# KiCad board PANEL5x4_COM_MOD.kicad_pcb (continued)
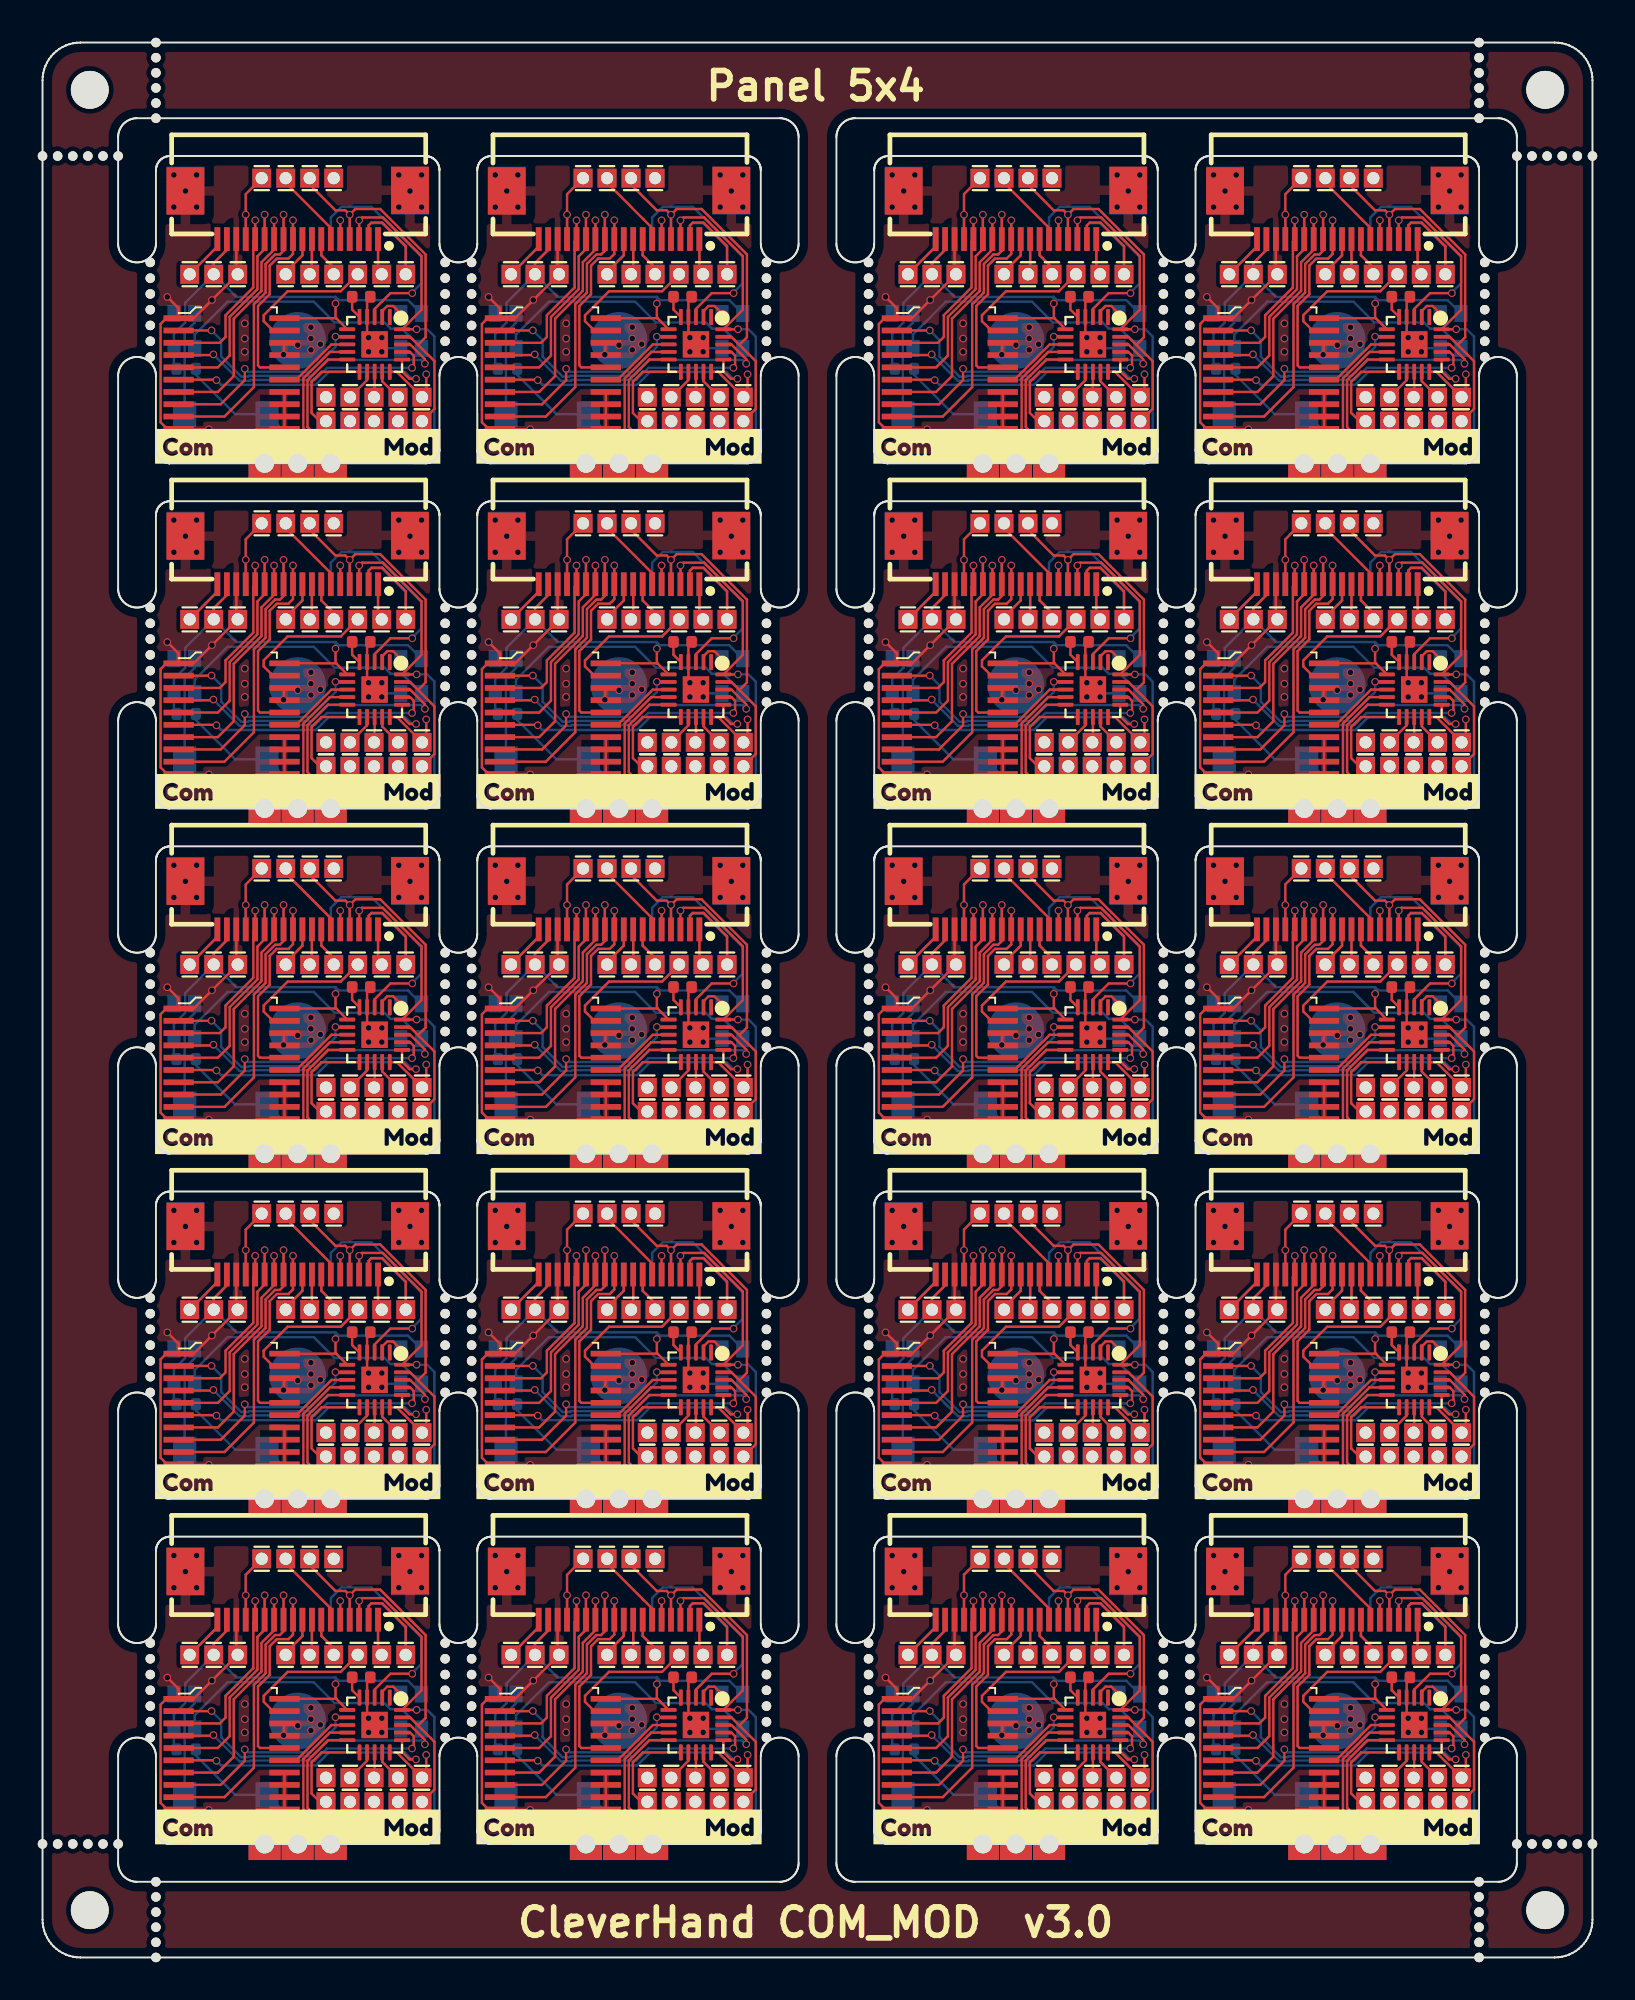
[diagram p0: board, top side]
## Placement (name value [footprint] x y rotation side) (continued)
KiKit_MB_8_3  -  [NPTH]  76.3 87.96 0 top
KiKit_MB_8_4  -  [NPTH]  76.3 87.13 0 top
KiKit_MB_8_5  -  [NPTH]  76.3 86.29 0 top
KiKit_MB_8_6  -  [NPTH]  76.3 85.46 0 top
KiKit_MB_8_7  -  [NPTH]  76.3 84.63 0 top
KiKit_MB_9_1  -  [NPTH]  5.7 66.38 0 top
KiKit_MB_9_2  -  [NPTH]  5.7 67.21 0 top
KiKit_MB_9_3  -  [NPTH]  5.7 68.04 0 top
KiKit_MB_9_4  -  [NPTH]  5.7 68.88 0 top
KiKit_MB_9_5  -  [NPTH]  5.7 69.71 0 top
KiKit_MB_9_6  -  [NPTH]  5.7 70.54 0 top
KiKit_MB_9_7  -  [NPTH]  5.7 71.38 0 top
KiKit_MB_10_1  -  [NPTH]  21.3 71.38 0 top
KiKit_MB_10_2  -  [NPTH]  21.3 70.54 0 top
KiKit_MB_10_3  -  [NPTH]  21.3 69.71 0 top
KiKit_MB_10_4  -  [NPTH]  21.3 68.88 0 top
KiKit_MB_10_5  -  [NPTH]  21.3 68.04 0 top
KiKit_MB_10_6  -  [NPTH]  21.3 67.21 0 top
KiKit_MB_10_7  -  [NPTH]  21.3 66.38 0 top
KiKit_MB_11_1  -  [NPTH]  22.7 66.38 0 top
KiKit_MB_11_2  -  [NPTH]  22.7 67.21 0 top
KiKit_MB_11_3  -  [NPTH]  22.7 68.04 0 top
KiKit_MB_11_4  -  [NPTH]  22.7 68.88 0 top
KiKit_MB_11_5  -  [NPTH]  22.7 69.71 0 top
KiKit_MB_11_6  -  [NPTH]  22.7 70.54 0 top
KiKit_MB_11_7  -  [NPTH]  22.7 71.38 0 top
KiKit_MB_12_1  -  [NPTH]  38.3 71.38 0 top
KiKit_MB_12_2  -  [NPTH]  38.3 70.54 0 top
KiKit_MB_12_3  -  [NPTH]  38.3 69.71 0 top
KiKit_MB_12_4  -  [NPTH]  38.3 68.88 0 top
KiKit_MB_12_5  -  [NPTH]  38.3 68.04 0 top
KiKit_MB_12_6  -  [NPTH]  38.3 67.21 0 top
KiKit_MB_12_7  -  [NPTH]  38.3 66.38 0 top
KiKit_MB_13_1  -  [NPTH]  43.7 66.38 0 top
KiKit_MB_13_2  -  [NPTH]  43.7 67.21 0 top
KiKit_MB_13_3  -  [NPTH]  43.7 68.04 0 top
KiKit_MB_13_4  -  [NPTH]  43.7 68.88 0 top
KiKit_MB_13_5  -  [NPTH]  43.7 69.71 0 top
KiKit_MB_13_6  -  [NPTH]  43.7 70.54 0 top
KiKit_MB_13_7  -  [NPTH]  43.7 71.38 0 top
KiKit_MB_14_1  -  [NPTH]  59.3 71.38 0 top
KiKit_MB_14_2  -  [NPTH]  59.3 70.54 0 top
KiKit_MB_14_3  -  [NPTH]  59.3 69.71 0 top
KiKit_MB_14_4  -  [NPTH]  59.3 68.88 0 top
KiKit_MB_14_5  -  [NPTH]  59.3 68.04 0 top
KiKit_MB_14_6  -  [NPTH]  59.3 67.21 0 top
KiKit_MB_14_7  -  [NPTH]  59.3 66.38 0 top
KiKit_MB_15_1  -  [NPTH]  60.7 66.38 0 top
KiKit_MB_15_2  -  [NPTH]  60.7 67.21 0 top
KiKit_MB_15_3  -  [NPTH]  60.7 68.04 0 top
KiKit_MB_15_4  -  [NPTH]  60.7 68.88 0 top
KiKit_MB_15_5  -  [NPTH]  60.7 69.71 0 top
KiKit_MB_15_6  -  [NPTH]  60.7 70.54 0 top
KiKit_MB_15_7  -  [NPTH]  60.7 71.38 0 top
KiKit_MB_16_1  -  [NPTH]  76.3 71.38 0 top
KiKit_MB_16_2  -  [NPTH]  76.3 70.54 0 top
KiKit_MB_16_3  -  [NPTH]  76.3 69.71 0 top
KiKit_MB_16_4  -  [NPTH]  76.3 68.88 0 top
KiKit_MB_16_5  -  [NPTH]  76.3 68.04 0 top
KiKit_MB_16_6  -  [NPTH]  76.3 67.21 0 top
KiKit_MB_16_7  -  [NPTH]  76.3 66.38 0 top
KiKit_MB_17_1  -  [NPTH]  5.7 48.13 0 top
KiKit_MB_17_2  -  [NPTH]  5.7 48.96 0 top
KiKit_MB_17_3  -  [NPTH]  5.7 49.79 0 top
KiKit_MB_17_4  -  [NPTH]  5.7 50.63 0 top
KiKit_MB_17_5  -  [NPTH]  5.7 51.46 0 top
KiKit_MB_17_6  -  [NPTH]  5.7 52.29 0 top
KiKit_MB_17_7  -  [NPTH]  5.7 53.13 0 top
KiKit_MB_18_1  -  [NPTH]  21.3 53.13 0 top
KiKit_MB_18_2  -  [NPTH]  21.3 52.29 0 top
KiKit_MB_18_3  -  [NPTH]  21.3 51.46 0 top
KiKit_MB_18_4  -  [NPTH]  21.3 50.63 0 top
KiKit_MB_18_5  -  [NPTH]  21.3 49.79 0 top
KiKit_MB_18_6  -  [NPTH]  21.3 48.96 0 top
KiKit_MB_18_7  -  [NPTH]  21.3 48.13 0 top
KiKit_MB_19_1  -  [NPTH]  22.7 48.13 0 top
KiKit_MB_19_2  -  [NPTH]  22.7 48.96 0 top
KiKit_MB_19_3  -  [NPTH]  22.7 49.79 0 top
KiKit_MB_19_4  -  [NPTH]  22.7 50.63 0 top
KiKit_MB_19_5  -  [NPTH]  22.7 51.46 0 top
KiKit_MB_19_6  -  [NPTH]  22.7 52.29 0 top
KiKit_MB_19_7  -  [NPTH]  22.7 53.13 0 top
KiKit_MB_20_1  -  [NPTH]  38.3 53.13 0 top
KiKit_MB_20_2  -  [NPTH]  38.3 52.29 0 top
KiKit_MB_20_3  -  [NPTH]  38.3 51.46 0 top
KiKit_MB_20_4  -  [NPTH]  38.3 50.63 0 top
KiKit_MB_20_5  -  [NPTH]  38.3 49.79 0 top
KiKit_MB_20_6  -  [NPTH]  38.3 48.96 0 top
KiKit_MB_20_7  -  [NPTH]  38.3 48.13 0 top
KiKit_MB_21_1  -  [NPTH]  43.7 48.13 0 top
KiKit_MB_21_2  -  [NPTH]  43.7 48.96 0 top
KiKit_MB_21_3  -  [NPTH]  43.7 49.79 0 top
KiKit_MB_21_4  -  [NPTH]  43.7 50.63 0 top
KiKit_MB_21_5  -  [NPTH]  43.7 51.46 0 top
KiKit_MB_21_6  -  [NPTH]  43.7 52.29 0 top
KiKit_MB_21_7  -  [NPTH]  43.7 53.13 0 top
KiKit_MB_22_1  -  [NPTH]  59.3 53.13 0 top
KiKit_MB_22_2  -  [NPTH]  59.3 52.29 0 top
KiKit_MB_22_3  -  [NPTH]  59.3 51.46 0 top
KiKit_MB_22_4  -  [NPTH]  59.3 50.63 0 top
KiKit_MB_22_5  -  [NPTH]  59.3 49.79 0 top
KiKit_MB_22_6  -  [NPTH]  59.3 48.96 0 top
KiKit_MB_22_7  -  [NPTH]  59.3 48.13 0 top
KiKit_MB_23_1  -  [NPTH]  60.7 48.13 0 top
KiKit_MB_23_2  -  [NPTH]  60.7 48.96 0 top
KiKit_MB_23_3  -  [NPTH]  60.7 49.79 0 top
KiKit_MB_23_4  -  [NPTH]  60.7 50.63 0 top
KiKit_MB_23_5  -  [NPTH]  60.7 51.46 0 top
KiKit_MB_23_6  -  [NPTH]  60.7 52.29 0 top
KiKit_MB_23_7  -  [NPTH]  60.7 53.13 0 top
KiKit_MB_24_1  -  [NPTH]  76.3 53.13 0 top
KiKit_MB_24_2  -  [NPTH]  76.3 52.29 0 top
KiKit_MB_24_3  -  [NPTH]  76.3 51.46 0 top
KiKit_MB_24_4  -  [NPTH]  76.3 50.63 0 top
KiKit_MB_24_5  -  [NPTH]  76.3 49.79 0 top
KiKit_MB_24_6  -  [NPTH]  76.3 48.96 0 top
KiKit_MB_24_7  -  [NPTH]  76.3 48.13 0 top
KiKit_MB_25_1  -  [NPTH]  5.7 29.88 0 top
KiKit_MB_25_2  -  [NPTH]  5.7 30.71 0 top
KiKit_MB_25_3  -  [NPTH]  5.7 31.54 0 top
KiKit_MB_25_4  -  [NPTH]  5.7 32.38 0 top
KiKit_MB_25_5  -  [NPTH]  5.7 33.21 0 top
KiKit_MB_25_6  -  [NPTH]  5.7 34.04 0 top
KiKit_MB_25_7  -  [NPTH]  5.7 34.88 0 top
KiKit_MB_26_1  -  [NPTH]  21.3 34.88 0 top
KiKit_MB_26_2  -  [NPTH]  21.3 34.04 0 top
KiKit_MB_26_3  -  [NPTH]  21.3 33.21 0 top
KiKit_MB_26_4  -  [NPTH]  21.3 32.38 0 top
KiKit_MB_26_5  -  [NPTH]  21.3 31.54 0 top
KiKit_MB_26_6  -  [NPTH]  21.3 30.71 0 top
KiKit_MB_26_7  -  [NPTH]  21.3 29.88 0 top
KiKit_MB_27_1  -  [NPTH]  22.7 29.88 0 top
KiKit_MB_27_2  -  [NPTH]  22.7 30.71 0 top
KiKit_MB_27_3  -  [NPTH]  22.7 31.54 0 top
KiKit_MB_27_4  -  [NPTH]  22.7 32.38 0 top
KiKit_MB_27_5  -  [NPTH]  22.7 33.21 0 top
KiKit_MB_27_6  -  [NPTH]  22.7 34.04 0 top
KiKit_MB_27_7  -  [NPTH]  22.7 34.88 0 top
KiKit_MB_28_1  -  [NPTH]  38.3 34.88 0 top
KiKit_MB_28_2  -  [NPTH]  38.3 34.04 0 top
KiKit_MB_28_3  -  [NPTH]  38.3 33.21 0 top
KiKit_MB_28_4  -  [NPTH]  38.3 32.38 0 top
KiKit_MB_28_5  -  [NPTH]  38.3 31.54 0 top
KiKit_MB_28_6  -  [NPTH]  38.3 30.71 0 top
KiKit_MB_28_7  -  [NPTH]  38.3 29.88 0 top
KiKit_MB_29_1  -  [NPTH]  43.7 29.88 0 top
KiKit_MB_29_2  -  [NPTH]  43.7 30.71 0 top
KiKit_MB_29_3  -  [NPTH]  43.7 31.54 0 top
KiKit_MB_29_4  -  [NPTH]  43.7 32.38 0 top
KiKit_MB_29_5  -  [NPTH]  43.7 33.21 0 top
KiKit_MB_29_6  -  [NPTH]  43.7 34.04 0 top
KiKit_MB_29_7  -  [NPTH]  43.7 34.88 0 top
KiKit_MB_30_1  -  [NPTH]  59.3 34.88 0 top
KiKit_MB_30_2  -  [NPTH]  59.3 34.04 0 top
KiKit_MB_30_3  -  [NPTH]  59.3 33.21 0 top
KiKit_MB_30_4  -  [NPTH]  59.3 32.38 0 top
KiKit_MB_30_5  -  [NPTH]  59.3 31.54 0 top
KiKit_MB_30_6  -  [NPTH]  59.3 30.71 0 top
KiKit_MB_30_7  -  [NPTH]  59.3 29.88 0 top
KiKit_MB_31_1  -  [NPTH]  60.7 29.88 0 top
KiKit_MB_31_2  -  [NPTH]  60.7 30.71 0 top
KiKit_MB_31_3  -  [NPTH]  60.7 31.54 0 top
KiKit_MB_31_4  -  [NPTH]  60.7 32.38 0 top
KiKit_MB_31_5  -  [NPTH]  60.7 33.21 0 top
KiKit_MB_31_6  -  [NPTH]  60.7 34.04 0 top
KiKit_MB_31_7  -  [NPTH]  60.7 34.88 0 top
KiKit_MB_32_1  -  [NPTH]  76.3 34.88 0 top
KiKit_MB_32_2  -  [NPTH]  76.3 34.04 0 top
KiKit_MB_32_3  -  [NPTH]  76.3 33.21 0 top
KiKit_MB_32_4  -  [NPTH]  76.3 32.38 0 top
KiKit_MB_32_5  -  [NPTH]  76.3 31.54 0 top
KiKit_MB_32_6  -  [NPTH]  76.3 30.71 0 top
KiKit_MB_32_7  -  [NPTH]  76.3 29.88 0 top
KiKit_MB_33_1  -  [NPTH]  5.7 11.63 0 top
KiKit_MB_33_2  -  [NPTH]  5.7 12.46 0 top
KiKit_MB_33_3  -  [NPTH]  5.7 13.29 0 top
KiKit_MB_33_4  -  [NPTH]  5.7 14.13 0 top
KiKit_MB_33_5  -  [NPTH]  5.7 14.96 0 top
KiKit_MB_33_6  -  [NPTH]  5.7 15.79 0 top
KiKit_MB_33_7  -  [NPTH]  5.7 16.63 0 top
KiKit_MB_34_1  -  [NPTH]  21.3 16.63 0 top
KiKit_MB_34_2  -  [NPTH]  21.3 15.79 0 top
KiKit_MB_34_3  -  [NPTH]  21.3 14.96 0 top
KiKit_MB_34_4  -  [NPTH]  21.3 14.13 0 top
KiKit_MB_34_5  -  [NPTH]  21.3 13.29 0 top
KiKit_MB_34_6  -  [NPTH]  21.3 12.46 0 top
KiKit_MB_34_7  -  [NPTH]  21.3 11.63 0 top
KiKit_MB_35_1  -  [NPTH]  22.7 11.63 0 top
KiKit_MB_35_2  -  [NPTH]  22.7 12.46 0 top
KiKit_MB_35_3  -  [NPTH]  22.7 13.29 0 top
KiKit_MB_35_4  -  [NPTH]  22.7 14.13 0 top
KiKit_MB_35_5  -  [NPTH]  22.7 14.96 0 top
KiKit_MB_35_6  -  [NPTH]  22.7 15.79 0 top
KiKit_MB_35_7  -  [NPTH]  22.7 16.63 0 top
KiKit_MB_36_1  -  [NPTH]  38.3 16.63 0 top
KiKit_MB_36_2  -  [NPTH]  38.3 15.79 0 top
KiKit_MB_36_3  -  [NPTH]  38.3 14.96 0 top
KiKit_MB_36_4  -  [NPTH]  38.3 14.13 0 top
KiKit_MB_36_5  -  [NPTH]  38.3 13.29 0 top
KiKit_MB_36_6  -  [NPTH]  38.3 12.46 0 top
KiKit_MB_36_7  -  [NPTH]  38.3 11.63 0 top
KiKit_MB_37_1  -  [NPTH]  43.7 11.63 0 top
KiKit_MB_37_2  -  [NPTH]  43.7 12.46 0 top
KiKit_MB_37_3  -  [NPTH]  43.7 13.29 0 top
KiKit_MB_37_4  -  [NPTH]  43.7 14.13 0 top
KiKit_MB_37_5  -  [NPTH]  43.7 14.96 0 top
KiKit_MB_37_6  -  [NPTH]  43.7 15.79 0 top
KiKit_MB_37_7  -  [NPTH]  43.7 16.63 0 top
KiKit_MB_38_1  -  [NPTH]  59.3 16.63 0 top
KiKit_MB_38_2  -  [NPTH]  59.3 15.79 0 top
KiKit_MB_38_3  -  [NPTH]  59.3 14.96 0 top
KiKit_MB_38_4  -  [NPTH]  59.3 14.13 0 top
KiKit_MB_38_5  -  [NPTH]  59.3 13.29 0 top
KiKit_MB_38_6  -  [NPTH]  59.3 12.46 0 top
KiKit_MB_38_7  -  [NPTH]  59.3 11.63 0 top
KiKit_MB_39_1  -  [NPTH]  60.7 11.63 0 top
KiKit_MB_39_2  -  [NPTH]  60.7 12.46 0 top
KiKit_MB_39_3  -  [NPTH]  60.7 13.29 0 top
KiKit_MB_39_4  -  [NPTH]  60.7 14.13 0 top
KiKit_MB_39_5  -  [NPTH]  60.7 14.96 0 top
KiKit_MB_39_6  -  [NPTH]  60.7 15.79 0 top
KiKit_MB_39_7  -  [NPTH]  60.7 16.63 0 top
KiKit_MB_40_1  -  [NPTH]  76.3 16.63 0 top
KiKit_MB_40_2  -  [NPTH]  76.3 15.79 0 top
KiKit_MB_40_3  -  [NPTH]  76.3 14.96 0 top
KiKit_MB_40_4  -  [NPTH]  76.3 14.13 0 top
KiKit_MB_40_5  -  [NPTH]  76.3 13.29 0 top
KiKit_MB_40_6  -  [NPTH]  76.3 12.46 0 top
KiKit_MB_40_7  -  [NPTH]  76.3 11.63 0 top
KiKit_MB_41_1  -  [NPTH]  6 101.25 0 top
KiKit_MB_41_2  -  [NPTH]  6 100.45 0 top
KiKit_MB_41_3  -  [NPTH]  6 99.65 0 top
KiKit_MB_41_4  -  [NPTH]  6 98.85 0 top
KiKit_MB_41_5  -  [NPTH]  6 98.05 0 top
KiKit_MB_41_6  -  [NPTH]  6 97.25 0 top
KiKit_MB_42_1  -  [NPTH]  76 101.25 0 top
KiKit_MB_42_2  -  [NPTH]  76 100.45 0 top
KiKit_MB_42_3  -  [NPTH]  76 99.65 0 top
KiKit_MB_42_4  -  [NPTH]  76 98.85 0 top
KiKit_MB_42_5  -  [NPTH]  76 98.05 0 top
KiKit_MB_42_6  -  [NPTH]  76 97.25 0 top
KiKit_MB_43_1  -  [NPTH]  6 4 0 top
KiKit_MB_43_2  -  [NPTH]  6 3.2 0 top
KiKit_MB_43_3  -  [NPTH]  6 2.4 0 top
KiKit_MB_43_4  -  [NPTH]  6 1.6 0 top
KiKit_MB_43_5  -  [NPTH]  6 0.8 0 top
KiKit_MB_43_6  -  [NPTH]  6 0 0 top
KiKit_MB_44_1  -  [NPTH]  76 4 0 top
KiKit_MB_44_2  -  [NPTH]  76 3.2 0 top
KiKit_MB_44_3  -  [NPTH]  76 2.4 0 top
KiKit_MB_44_4  -  [NPTH]  76 1.6 0 top
KiKit_MB_44_5  -  [NPTH]  76 0.8 0 top
KiKit_MB_44_6  -  [NPTH]  76 0 0 top
KiKit_MB_45_1  -  [NPTH]  0 95.25 0 top
KiKit_MB_45_2  -  [NPTH]  0.8 95.25 0 top
KiKit_MB_45_3  -  [NPTH]  1.6 95.25 0 top
KiKit_MB_45_4  -  [NPTH]  2.4 95.25 0 top
KiKit_MB_45_5  -  [NPTH]  3.2 95.25 0 top
KiKit_MB_45_6  -  [NPTH]  4 95.25 0 top
KiKit_MB_46_1  -  [NPTH]  0 6 0 top
KiKit_MB_46_2  -  [NPTH]  0.8 6 0 top
KiKit_MB_46_3  -  [NPTH]  1.6 6 0 top
KiKit_MB_46_4  -  [NPTH]  2.4 6 0 top
KiKit_MB_46_5  -  [NPTH]  3.2 6 0 top
KiKit_MB_46_6  -  [NPTH]  4 6 0 top
KiKit_MB_47_1  -  [NPTH]  78 95.25 0 top
KiKit_MB_47_2  -  [NPTH]  78.8 95.25 0 top
KiKit_MB_47_3  -  [NPTH]  79.6 95.25 0 top
KiKit_MB_47_4  -  [NPTH]  80.4 95.25 0 top
KiKit_MB_47_5  -  [NPTH]  81.2 95.25 0 top
KiKit_MB_47_6  -  [NPTH]  82 95.25 0 top
KiKit_MB_48_1  -  [NPTH]  78 6 0 top
KiKit_MB_48_2  -  [NPTH]  78.8 6 0 top
KiKit_MB_48_3  -  [NPTH]  79.6 6 0 top
KiKit_MB_48_4  -  [NPTH]  80.4 6 0 top
KiKit_MB_48_5  -  [NPTH]  81.2 6 0 top
KiKit_MB_48_6  -  [NPTH]  82 6 0 top
KiKit_TO_1  -  [NPTH#2]  2.5 98.75 0 top
KiKit_TO_2  -  [NPTH#2]  79.5 98.75 0 top
KiKit_TO_3  -  [NPTH#2]  2.5 2.5 0 top
KiKit_TO_4  -  [NPTH#2]  79.5 2.5 0 top
LED1  WS2812C-2020-V1  [LED-SMD_4P-L2.0-W2.0-TL_WS2812B-2020]  57.5 31.25 90 bottom
LED1#2  WS2812C-2020-V1  [LED-SMD_4P-L2.0-W2.0-TL_WS2812B-2020]  36.5 67.75 90 bottom
LED1#3  WS2812C-2020-V1  [LED-SMD_4P-L2.0-W2.0-TL_WS2812B-2020]  19.5 13 90 bottom
LED1#4  WS2812C-2020-V1  [LED-SMD_4P-L2.0-W2.0-TL_WS2812B-2020]  19.5 49.5 90 bottom
LED1#5  WS2812C-2020-V1  [LED-SMD_4P-L2.0-W2.0-TL_WS2812B-2020]  36.5 31.25 90 bottom
LED1#6  WS2812C-2020-V1  [LED-SMD_4P-L2.0-W2.0-TL_WS2812B-2020]  19.5 67.75 90 bottom
LED1#7  WS2812C-2020-V1  [LED-SMD_4P-L2.0-W2.0-TL_WS2812B-2020]  36.5 49.5 90 bottom
LED1#8  WS2812C-2020-V1  [LED-SMD_4P-L2.0-W2.0-TL_WS2812B-2020]  74.5 67.75 90 bottom
LED1#9  WS2812C-2020-V1  [LED-SMD_4P-L2.0-W2.0-TL_WS2812B-2020]  36.5 86 90 bottom
LED1#10  WS2812C-2020-V1  [LED-SMD_4P-L2.0-W2.0-TL_WS2812B-2020]  36.5 13 90 bottom
LED1#11  WS2812C-2020-V1  [LED-SMD_4P-L2.0-W2.0-TL_WS2812B-2020]  57.5 13 90 bottom
LED1#12  WS2812C-2020-V1  [LED-SMD_4P-L2.0-W2.0-TL_WS2812B-2020]  57.5 86 90 bottom
LED1#13  WS2812C-2020-V1  [LED-SMD_4P-L2.0-W2.0-TL_WS2812B-2020]  57.5 67.75 90 bottom
LED1#14  WS2812C-2020-V1  [LED-SMD_4P-L2.0-W2.0-TL_WS2812B-2020]  57.5 49.5 90 bottom
LED1#15  WS2812C-2020-V1  [LED-SMD_4P-L2.0-W2.0-TL_WS2812B-2020]  19.5 31.25 90 bottom
LED1#16  WS2812C-2020-V1  [LED-SMD_4P-L2.0-W2.0-TL_WS2812B-2020]  19.5 86 90 bottom
LED1#17  WS2812C-2020-V1  [LED-SMD_4P-L2.0-W2.0-TL_WS2812B-2020]  74.5 86 90 bottom
LED1#18  WS2812C-2020-V1  [LED-SMD_4P-L2.0-W2.0-TL_WS2812B-2020]  74.5 13 90 bottom
LED1#19  WS2812C-2020-V1  [LED-SMD_4P-L2.0-W2.0-TL_WS2812B-2020]  74.5 49.5 90 bottom
LED1#20  WS2812C-2020-V1  [LED-SMD_4P-L2.0-W2.0-TL_WS2812B-2020]  74.5 31.25 90 bottom
LED2  WS2812C  [LED-SMD_4P-L2.0-W2.0-TL_WS2812B-2020]  62.5 86 270 bottom
LED2#2  WS2812C  [LED-SMD_4P-L2.0-W2.0-TL_WS2812B-2020]  45.5 67.75 270 bottom
LED2#3  WS2812C  [LED-SMD_4P-L2.0-W2.0-TL_WS2812B-2020]  45.5 86 270 bottom
LED2#4  WS2812C  [LED-SMD_4P-L2.0-W2.0-TL_WS2812B-2020]  24.5 86 270 bottom
LED2#5  WS2812C  [LED-SMD_4P-L2.0-W2.0-TL_WS2812B-2020]  45.5 49.5 270 bottom
LED2#6  WS2812C  [LED-SMD_4P-L2.0-W2.0-TL_WS2812B-2020]  7.5 67.75 270 bottom
LED2#7  WS2812C  [LED-SMD_4P-L2.0-W2.0-TL_WS2812B-2020]  24.5 31.25 270 bottom
LED2#8  WS2812C  [LED-SMD_4P-L2.0-W2.0-TL_WS2812B-2020]  45.5 13 270 bottom
LED2#9  WS2812C  [LED-SMD_4P-L2.0-W2.0-TL_WS2812B-2020]  62.5 67.75 270 bottom
LED2#10  WS2812C  [LED-SMD_4P-L2.0-W2.0-TL_WS2812B-2020]  7.5 49.5 270 bottom
LED2#11  WS2812C  [LED-SMD_4P-L2.0-W2.0-TL_WS2812B-2020]  24.5 13 270 bottom
LED2#12  WS2812C  [LED-SMD_4P-L2.0-W2.0-TL_WS2812B-2020]  7.5 31.25 270 bottom
LED2#13  WS2812C  [LED-SMD_4P-L2.0-W2.0-TL_WS2812B-2020]  7.5 86 270 bottom
LED2#14  WS2812C  [LED-SMD_4P-L2.0-W2.0-TL_WS2812B-2020]  62.5 49.5 270 bottom
LED2#15  WS2812C  [LED-SMD_4P-L2.0-W2.0-TL_WS2812B-2020]  7.5 13 270 bottom
LED2#16  WS2812C  [LED-SMD_4P-L2.0-W2.0-TL_WS2812B-2020]  24.5 67.75 270 bottom
LED2#17  WS2812C  [LED-SMD_4P-L2.0-W2.0-TL_WS2812B-2020]  62.5 31.25 270 bottom
LED2#18  WS2812C  [LED-SMD_4P-L2.0-W2.0-TL_WS2812B-2020]  45.5 31.25 270 bottom
LED2#19  WS2812C  [LED-SMD_4P-L2.0-W2.0-TL_WS2812B-2020]  62.5 13 270 bottom
LED2#20  WS2812C  [LED-SMD_4P-L2.0-W2.0-TL_WS2812B-2020]  24.5 49.5 270 bottom
R1  10K  [R_0402_1005Metric]  45.6 29.25 0 bottom
R1#2  10K  [R_0402_1005Metric]  24.6 84 0 bottom
R1#3  10K  [R_0402_1005Metric]  24.6 65.75 0 bottom
R1#4  10K  [R_0402_1005Metric]  62.6 47.5 0 bottom
R1#5  10K  [R_0402_1005Metric]  7.6 11 0 bottom
R1#6  10K  [R_0402_1005Metric]  7.6 47.5 0 bottom
R1#7  10K  [R_0402_1005Metric]  62.6 29.25 0 bottom
R1#8  10K  [R_0402_1005Metric]  45.6 47.5 0 bottom
R1#9  10K  [R_0402_1005Metric]  45.6 65.75 0 bottom
R1#10  10K  [R_0402_1005Metric]  7.6 84 0 bottom
R1#11  10K  [R_0402_1005Metric]  62.6 84 0 bottom
R1#12  10K  [R_0402_1005Metric]  24.6 47.5 0 bottom
R1#13  10K  [R_0402_1005Metric]  62.6 65.75 0 bottom
R1#14  10K  [R_0402_1005Metric]  45.6 11 0 bottom
R1#15  10K  [R_0402_1005Metric]  7.6 65.75 0 bottom
R1#16  10K  [R_0402_1005Metric]  45.6 84 0 bottom
R1#17  10K  [R_0402_1005Metric]  62.6 11 0 bottom
R1#18  10K  [R_0402_1005Metric]  24.6 11 0 bottom
R1#19  10K  [R_0402_1005Metric]  7.6 29.25 0 bottom
R1#20  10K  [R_0402_1005Metric]  24.6 29.25 0 bottom
SW1  TS-1088R-02026  [SW-SMD_L3.9-W3.0-P4.45]  47.7 63.35 180 bottom
SW1#2  TS-1088R-02026  [SW-SMD_L3.9-W3.0-P4.45]  9.7 81.6 180 bottom
SW1#3  TS-1088R-02026  [SW-SMD_L3.9-W3.0-P4.45]  9.7 26.85 180 bottom
SW1#4  TS-1088R-02026  [SW-SMD_L3.9-W3.0-P4.45]  9.7 8.6 180 bottom
SW1#5  TS-1088R-02026  [SW-SMD_L3.9-W3.0-P4.45]  47.7 8.6 180 bottom
SW1#6  TS-1088R-02026  [SW-SMD_L3.9-W3.0-P4.45]  64.7 8.6 180 bottom
SW1#7  TS-1088R-02026  [SW-SMD_L3.9-W3.0-P4.45]  64.7 81.6 180 bottom
SW1#8  TS-1088R-02026  [SW-SMD_L3.9-W3.0-P4.45]  26.7 81.6 180 bottom
SW1#9  TS-1088R-02026  [SW-SMD_L3.9-W3.0-P4.45]  26.7 8.6 180 bottom
SW1#10  TS-1088R-02026  [SW-SMD_L3.9-W3.0-P4.45]  47.7 81.6 180 bottom
SW1#11  TS-1088R-02026  [SW-SMD_L3.9-W3.0-P4.45]  26.7 45.1 180 bottom
SW1#12  TS-1088R-02026  [SW-SMD_L3.9-W3.0-P4.45]  9.7 45.1 180 bottom
SW1#13  TS-1088R-02026  [SW-SMD_L3.9-W3.0-P4.45]  9.7 63.35 180 bottom
SW1#14  TS-1088R-02026  [SW-SMD_L3.9-W3.0-P4.45]  64.7 45.1 180 bottom
SW1#15  TS-1088R-02026  [SW-SMD_L3.9-W3.0-P4.45]  64.7 63.35 180 bottom
SW1#16  TS-1088R-02026  [SW-SMD_L3.9-W3.0-P4.45]  47.7 26.85 180 bottom
SW1#17  TS-1088R-02026  [SW-SMD_L3.9-W3.0-P4.45]  26.7 26.85 180 bottom
SW1#18  TS-1088R-02026  [SW-SMD_L3.9-W3.0-P4.45]  64.7 26.85 180 bottom
SW1#19  TS-1088R-02026  [SW-SMD_L3.9-W3.0-P4.45]  47.7 45.1 180 bottom
SW1#20  TS-1088R-02026  [SW-SMD_L3.9-W3.0-P4.45]  26.7 63.35 180 bottom
U1  HC32L110C6UA  [QFN-20-1EP_3x3mm_P0.4mm_EP1.4x1.4mm]  17.57 12.29 270 top
U1#2  HC32L110C6UA  [QFN-20-1EP_3x3mm_P0.4mm_EP1.4x1.4mm]  34.57 12.29 270 top
U1#3  HC32L110C6UA  [QFN-20-1EP_3x3mm_P0.4mm_EP1.4x1.4mm]  17.57 85.29 270 top
U1#4  HC32L110C6UA  [QFN-20-1EP_3x3mm_P0.4mm_EP1.4x1.4mm]  34.57 85.29 270 top
U1#5  HC32L110C6UA  [QFN-20-1EP_3x3mm_P0.4mm_EP1.4x1.4mm]  17.57 67.04 270 top
U1#6  HC32L110C6UA  [QFN-20-1EP_3x3mm_P0.4mm_EP1.4x1.4mm]  17.57 30.54 270 top
U1#7  HC32L110C6UA  [QFN-20-1EP_3x3mm_P0.4mm_EP1.4x1.4mm]  34.57 30.54 270 top
U1#8  HC32L110C6UA  [QFN-20-1EP_3x3mm_P0.4mm_EP1.4x1.4mm]  55.57 48.79 270 top
U1#9  HC32L110C6UA  [QFN-20-1EP_3x3mm_P0.4mm_EP1.4x1.4mm]  55.57 85.29 270 top
U1#10  HC32L110C6UA  [QFN-20-1EP_3x3mm_P0.4mm_EP1.4x1.4mm]  55.57 30.54 270 top
U1#11  HC32L110C6UA  [QFN-20-1EP_3x3mm_P0.4mm_EP1.4x1.4mm]  34.57 67.04 270 top
U1#12  HC32L110C6UA  [QFN-20-1EP_3x3mm_P0.4mm_EP1.4x1.4mm]  72.57 85.29 270 top
U1#13  HC32L110C6UA  [QFN-20-1EP_3x3mm_P0.4mm_EP1.4x1.4mm]  72.57 67.04 270 top
U1#14  HC32L110C6UA  [QFN-20-1EP_3x3mm_P0.4mm_EP1.4x1.4mm]  17.57 48.79 270 top
U1#15  HC32L110C6UA  [QFN-20-1EP_3x3mm_P0.4mm_EP1.4x1.4mm]  55.57 12.29 270 top
U1#16  HC32L110C6UA  [QFN-20-1EP_3x3mm_P0.4mm_EP1.4x1.4mm]  72.57 30.54 270 top
U1#17  HC32L110C6UA  [QFN-20-1EP_3x3mm_P0.4mm_EP1.4x1.4mm]  34.57 48.79 270 top
U1#18  HC32L110C6UA  [QFN-20-1EP_3x3mm_P0.4mm_EP1.4x1.4mm]  72.57 48.79 270 top
U1#19  HC32L110C6UA  [QFN-20-1EP_3x3mm_P0.4mm_EP1.4x1.4mm]  55.57 67.04 270 top
U1#20  HC32L110C6UA  [QFN-20-1EP_3x3mm_P0.4mm_EP1.4x1.4mm]  72.57 12.29 270 top
U2  74HC688  [TSSOP-20_W4.4mm]  65 47.25 270 top
U2#2  74HC688  [TSSOP-20_W4.4mm]  27 65.5 270 top
U2#3  74HC688  [TSSOP-20_W4.4mm]  65 83.75 270 top
U2#4  74HC688  [TSSOP-20_W4.4mm]  10 29 270 top
U2#5  74HC688  [TSSOP-20_W4.4mm]  48 65.5 270 top
U2#6  74HC688  [TSSOP-20_W4.4mm]  27 47.25 270 top
U2#7  74HC688  [TSSOP-20_W4.4mm]  10 65.5 270 top
U2#8  74HC688  [TSSOP-20_W4.4mm]  48 10.75 270 top
U2#9  74HC688  [TSSOP-20_W4.4mm]  27 83.75 270 top
U2#10  74HC688  [TSSOP-20_W4.4mm]  65 65.5 270 top
U2#11  74HC688  [TSSOP-20_W4.4mm]  48 83.75 270 top
U2#12  74HC688  [TSSOP-20_W4.4mm]  48 47.25 270 top
U2#13  74HC688  [TSSOP-20_W4.4mm]  10 47.25 270 top
U2#14  74HC688  [TSSOP-20_W4.4mm]  65 10.75 270 top
U2#15  74HC688  [TSSOP-20_W4.4mm]  27 10.75 270 top
U2#16  74HC688  [TSSOP-20_W4.4mm]  48 29 270 top
U2#17  74HC688  [TSSOP-20_W4.4mm]  10 83.75 270 top
U2#18  74HC688  [TSSOP-20_W4.4mm]  27 29 270 top
U2#19  74HC688  [TSSOP-20_W4.4mm]  65 29 270 top
U2#20  74HC688  [TSSOP-20_W4.4mm]  10 10.75 270 top

## Library data of the parts
C1 C1#2-C1#20 = -: LCSC: C23733
FPC1 FPC1#2-FPC1#20 FPC2 FPC2#2-FPC2#20 = -: LCSC Part: C2856802
J24 J24#2-J24#20 J25 J25#2-J25#20 J26 J26#2-J26#20 = -: Description: Generic connector, single row, 01x01, script generated
LED1 LED1#2-LED1#20 LED2 LED2#2-LED2#20 = -: LCSC Part: C2976072
R1 R1#2-R1#20 = -: LCSC: C25744
SW1 SW1#2-SW1#20 = -: Datasheet: https://lcsc.com/product-detail/New-Arrivals_XUNPU-TS-1088R-02026_C455280.html; LCSC Part: C455280
U1 U1#2-U1#20 = -: Datasheet: https://datasheet.lcsc.com/lcsc/2206131716_XHSC-HC32L110B6YA-CSP16TR_C840729.pdf; LCSC: C493490
U2 U2#2-U2#20 = -: Datasheet: https://www.ti.com/lit/ds/symlink/cd54hc688.pdf; LCSC: C132045; Field5: REF**

## Footprints (pads in the part's own frame, mm; a bottom-side part is the same pattern mirrored in y, then rotated)
C_0402_1005Metric
  rrect 0.56x0.62 smd: 1(-0.48,0) 2(0.48,0)
FPC-SMD_18P-P0.50_FPC-05F-18PH20
  rect 0.3x1.25 smd: 1(-4.25,1.29) 2(-3.75,1.29) 3(-3.25,1.29) 4(-2.75,1.29) 5(-2.25,1.29) 6(-1.75,1.29) 7(-1.25,1.29) 8(-0.75,1.29) 9(-0.25,1.29) 10(0.25,1.29) 11(0.75,1.29) 12(1.25,1.29) 13(1.75,1.29) 14(2.25,1.29) 15(2.75,1.29) 16(3.25,1.29) 17(3.75,1.29) 18(4.25,1.29)
  rect 2x2.5 smd: 19(-5.94,-1.29) 20(5.94,-1.25)
insert_1.2mm
  round 3 smd: 1(0,0)
LED-SMD_4P-L2.0-W2.0-TL_WS2812B-2020
  rect 0.9x0.7 smd: 1(-0.92,0.55) 2(-0.92,-0.55) 3(0.92,-0.55) 4(0.92,0.55)
NPTH
  round 0.5 hole 0.5 unplated: (0,0)
NPTH#2
  round 2 hole 2 unplated: (0,0)
PinHeader_1x01_P1.27mm_Vertical
  rect 1x1 hole 0.65: 1(0,0)
PinSocket_1x01_P2.54mm_Vertical
  rect 1.7x1.7 hole 1: 1(0,0)
QFN-20-1EP_3x3mm_P0.4mm_EP1.4x1.4mm
  rrect 0.5x0.5 smd: (-0.35,0.35) (-0.35,-0.35) (0.35,0.35) (0.35,-0.35)
  rrect 0.85x0.2 smd: 1(-1.45,0.8) 2(-1.45,0.4) 3(-1.45,0) 4(-1.45,-0.4) 5(-1.45,-0.8) 11(1.45,-0.8) 12(1.45,-0.4) 13(1.45,0) 14(1.45,0.4) 15(1.45,0.8)
  rrect 0.2x0.85 smd: 6(-0.8,-1.45) 7(-0.4,-1.45) 8(0,-1.45) 9(0.4,-1.45) 10(0.8,-1.45) 16(0.8,1.45) 17(0.4,1.45) 18(0,1.45) 19(-0.4,1.45) 20(-0.8,1.45)
  rect 1.4x1.4 smd: 21(0,0)
R_0402_1005Metric
  rrect 0.54x0.64 smd: 1(-0.51,0) 2(0.51,0)
SW-SMD_L3.9-W3.0-P4.45
  rect 1.23x1.36 smd: 1(-2.18,0) 2(2.18,0)
TSSOP-20_W4.4mm
  rect 0.3x1.6 smd: 1(-2.925,-2.8) 2(-2.275,-2.8) 3(-1.625,-2.8) 4(-0.975,-2.8) 5(-0.325,-2.8) 6(0.325,-2.8) 7(0.975,-2.8) 8(1.625,-2.8) 9(2.275,-2.8) 10(2.925,-2.8) 11(2.925,2.8) 12(2.275,2.8) 13(1.625,2.8) 14(0.975,2.8) 15(0.325,2.8) 16(-0.325,2.8) 17(-0.975,2.8) 18(-1.625,2.8) 19(-2.275,2.8) 20(-2.925,2.8)
